# Allegro board FPGA-M1.brd (continued)
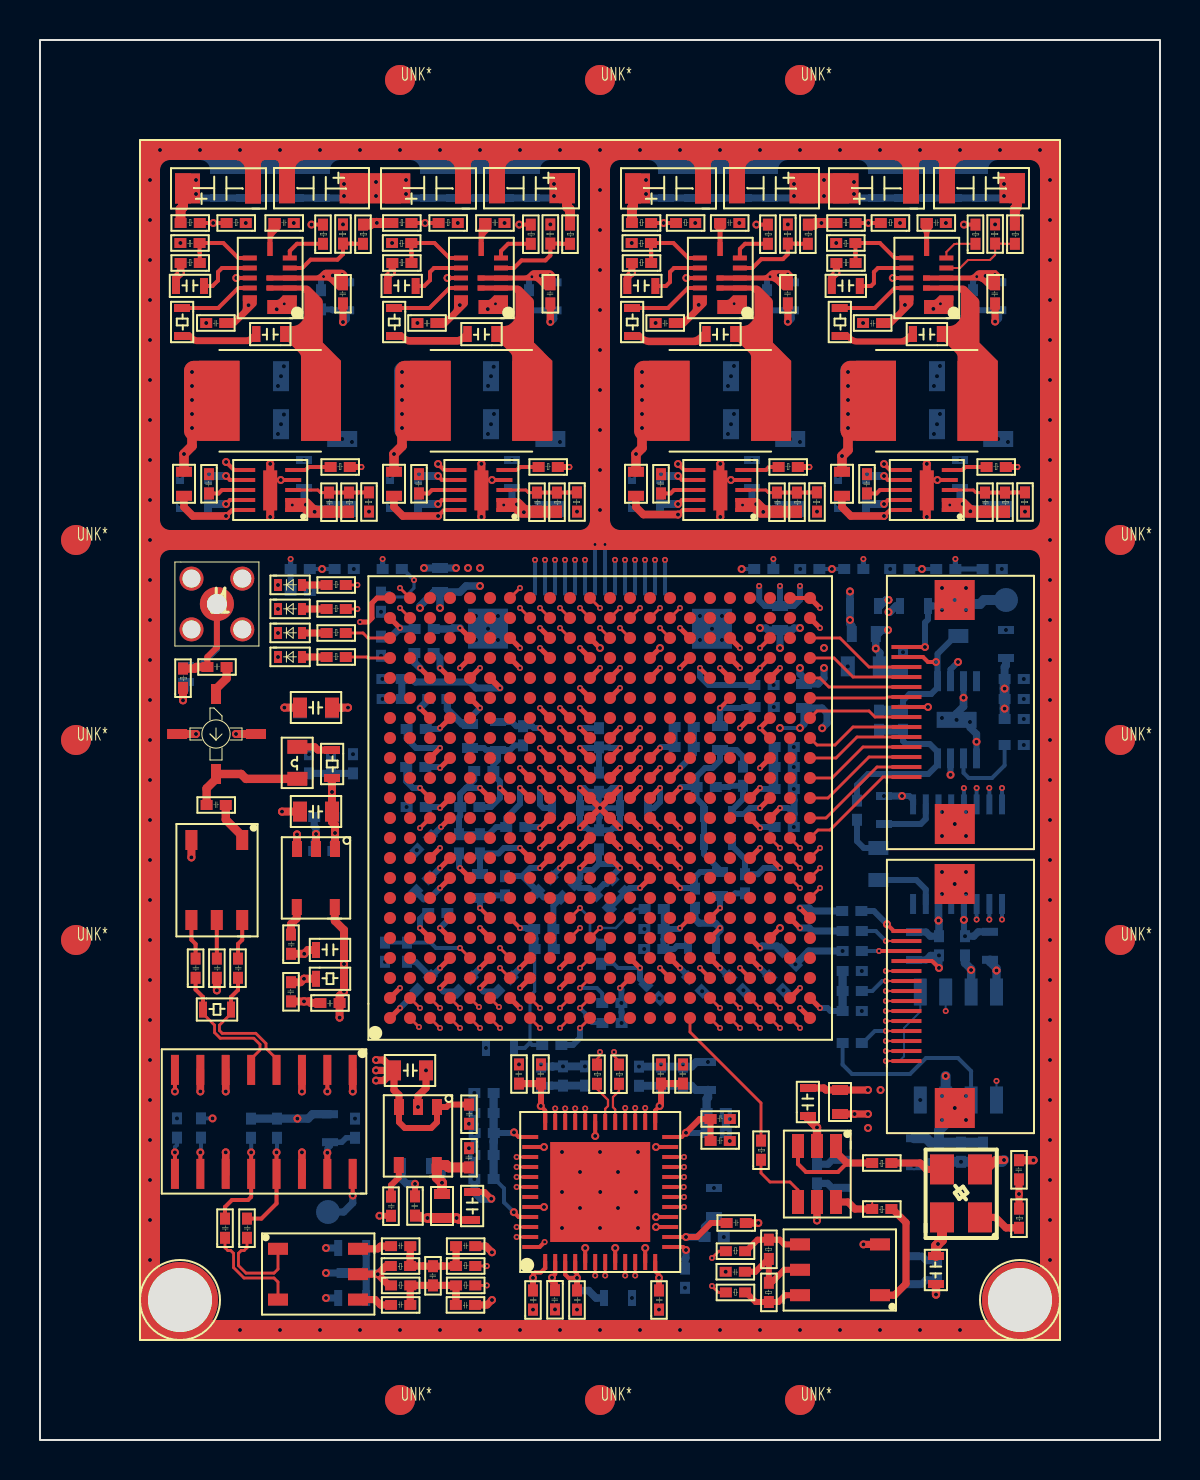
[diagram p0: board, top side]
## Footprints (pads in the part's own frame, mm; a bottom-side part is the same pattern mirrored in y, then rotated) (continued)
FPC-14P-0D5
  rect 0.2x1.5 smd: 1(-3.251,3.479) 2(-2.751,3.479) 3(-2.251,3.479) 4(-1.751,3.479) 5(-1.251,3.479) 6(-0.751,3.479) 7(-0.251,3.479) 8(0.249,3.479) 9(0.749,3.479) 10(1.249,3.479) 11(1.749,3.479) 12(2.249,3.479) 13(2.749,3.479) 14(3.249,3.479)
  rect 2x2 smd: M1(-5.6,1.06) M2(5.6,1.066)
L0805
  rect 0.7x1 smd: 1(0.2,0.62) 2(1.8,0.62)
LED0402
  rect 0.4x0.6 smd: 1(-0.1,0.25) 2(1.1,0.25)
MSOP-8-PAD
  rect 0.35x1 smd: 1(-0.001,-3.615) 2(0.649,-3.615) 3(1.299,-3.615) 4(1.949,-3.615) 5(1.949,0.241) 6(1.299,0.241) 7(0.649,0.241) 8(-0.001,0.241)
  rect 2x0.8 smd: 9(0.995,-1.694)
QFN-14
  rect 0.7x0.25 smd: 1(-0.99,1) 2(-0.99,0.5) 3(-0.99,0) 4(-0.99,-0.5) 5(-0.99,-1) 7(1.01,-1) 8(1.01,-0.5) 9(1.01,0) 10(1.01,0.5) 11(1.01,1)
  rect 0.25x0.7 smd: 6(0,-1.45) 12(0,1.45)
  rect 0.35x0.25 smd: 13(0,0.5) 14(0,0)
QFN-48
  rect 0.8x0.2 smd: 1(-3.5,2.75) 2(-3.5,2.25) 3(-3.5,1.75) 4(-3.5,1.25) 5(-3.5,0.75) 6(-3.5,0.25) 7(-3.5,-0.25) 8(-3.5,-0.75) 9(-3.5,-1.25) 10(-3.5,-1.75) 11(-3.5,-2.25) 12(-3.5,-2.75) 25(3.5,-2.75) 26(3.5,-2.25) 27(3.5,-1.75) 28(3.5,-1.25) 29(3.5,-0.75) 30(3.5,-0.25) 31(3.5,0.25) 32(3.5,0.75) 33(3.5,1.25) 34(3.5,1.75) 35(3.5,2.25) 36(3.5,2.75)
  rect 0.2x0.8 smd: 13(-2.75,-3.5) 14(-2.25,-3.5) 15(-1.75,-3.5) 16(-1.25,-3.5) 17(-0.75,-3.5) 18(-0.25,-3.5) 19(0.25,-3.5) 20(0.75,-3.5) 21(1.25,-3.5) 22(1.75,-3.5) 23(2.25,-3.5) 24(2.75,-3.5) 37(2.75,3.5) 38(2.25,3.5) 39(1.75,3.5) 40(1.25,3.5) 41(0.75,3.5) 42(0.25,3.5) 43(-0.25,3.5) 44(-0.75,3.5) 45(-1.25,3.5) 46(-1.75,3.5) 47(-2.25,3.5) 48(-2.75,3.5)
  rect 5x5 smd: 49(0,0)
R0402
  rect 0.6x0.5 smd: 1(0.01,0.25) 2(0.97,0.25)
R0603
  rect 0.4x0.8 smd: 1(0.1,0.4) 2(1.5,0.4)
SCREW-M3
  round 3.8 hole 3.2 unplated: (0,0)
SM-22
  rect 0.6x1 smd: 1(0.64,-0.1) 2(3.18,-0.1) 3(3.18,3.9) 4(1.91,3.9) 5(0.64,3.9)
SMA
  round 1.2 hole 0.9: 1(-1.27,-1.27) 2(1.27,-1.27) 3(1.27,1.27) 4(-1.27,1.27)
  round 1.7 hole 1: 5(0,0)
SO-8
  rect 0.65x1.35 smd: 1(0,-5.4) 2(1.27,-5.4) 3(2.54,-5.4) 4(3.81,-5.4) 5(3.81,0) 6(2.54,0) 7(1.27,0) 8(0,0)
SO-16
  rect 0.4x1.5 smd: 1(-4.437,-2.605) 2(-3.167,-2.605) 3(-1.897,-2.605) 4(-0.627,-2.605) 5(0.643,-2.605) 6(1.913,-2.605) 7(3.183,-2.605) 8(4.453,-2.605) 9(4.453,2.595) 10(3.183,2.595) 11(1.913,2.595) 12(0.643,2.595) 13(-0.627,2.595) 14(-1.897,2.595) 15(-3.167,2.595) 16(-4.437,2.595)
SOT-23-5
  rect 0.5x0.8 smd: 1(-0.95,-1.45) 2(0,-1.45) 3(0.95,-1.45) 4(0.96,1.45) 5(-0.94,1.45)
SOT-23-6
  rect 1.2x0.6 smd: 1(0,0) 2(0,-0.95) 3(0,-1.9) 4(2.8,-1.9) 5(2.8,-0.95) 6(2.8,0)
SSOP-16
  rect 1x0.3 smd: 1(0.6,4.7) 2(0.6,4.065) 3(0.6,3.43) 4(0.6,2.795) 5(0.6,2.16) 6(0.6,1.525) 7(0.6,0.89) 8(0.6,0.255) 9(5.58,0.255) 10(5.58,0.89) 11(5.58,1.525) 12(5.58,2.16) 13(5.58,2.795) 14(5.58,3.43) 15(5.58,4.065) 16(5.58,4.7)
TP_SMD_CIR_1D2
  round 1.2 smd: 1(0,0)
TSX-3225-4P
  rect 1.5x1.2 smd: 1(0.43,0.3) 2(2.83,0.3) 3(2.83,2.2) 4(0.43,2.2)
unnamed#2
  round 1.5 smd: (0,0)
WSON-10
  rect 0.8x0.2 smd: 1(0,0) 2(0,-0.5) 3(0,-1) 4(0,-1.5) 5(0,-2) 6(2.3,-2) 7(2.3,-1.5) 8(2.3,-1) 9(2.3,-0.5) 10(2.3,0)
  rect 0.7x2 smd: 11(1.15,-0.98)

## Nets
1V2_FPGA: C36.1 C112.2 C116.2 L15.2 R36.1 R43.1 U8.1 U8.2
2V0_FPGA: C120.2 C124.2 L8.2 U8.6(\SS_CTRL\) U8.7 U8.9 U8.10
2V0_FPGA_PWR: C16.1 C104.2 C108.2 L4.2 L8.1 R28.2
2V5_FPGA: C35.1 C113.2 C117.2 L13.1 R35.1 R41.1 U7.1 U7.2
3V3_BUCK_2V5: C15.1 C105.2 C109.2 L3.2 L7.1 R27.2
3V3_BUCK_2V5_IN: C121.2 C125.2 L7.2 U7.6(\SS_CTRL\) U7.7 U7.9 U7.10
3V3_FPGA: C34.1 C114.2 C118.2 L12.1 R34.1 R39.1 U6.1 U6.2
3V3_IF: C42.2 C47.2 R51.2 R88.2 R89.2 R90.2 U10.5(\OUT\)
4V0_BUCK_3V3: C122.2 C126.2 L6.2 U6.6(\SS_CTRL\) U6.7 U6.9 U6.10
4V0_BUCK_3V3_PWR: C14.1 C106.2 C110.2 L2.2 L6.1 R26.2
5V5_BUCK_5V_IN: C123.2 C127.2 L5.2 U5.6(\SS_CTRL\) U5.7 U5.9 U5.10
5V5_BUCK_5V_PWR: C13.1 C107.2 C111.2 L1.2 L5.1 R25.2
5V_FPGA: C33.1 C38.2 C40.2 C48.2 C54.2 C115.2 C119.2 C130.2 C145.2 C156.2 C157.2 C158.2 C172.2 C180.2 L14.1 R33.1 R37.1 R50.2 U5.1 U5.2 U10.1 U10.3 U12.1 U12.3
GND: A1.2 A1.4 C1.1 C2.1 C3.1 C4.1 C5.1 C6.1 C7.1 C8.1 C9.1 C10.1 C11.1 C12.1 C17.2 C18.2 C19.2 C20.2 C21.1 C22.1 C23.1 C24.1 C29.1 C30.1 C31.1 C32.1 C38.1 C40.1 C41.1 C42.1 C44.1 C46.2 C47.1 C48.1 C49.1 C50.1 C51.1 C52.1 C53.1 C54.1 C55.1 C56.1 C57.1 C58.1 C59.1 C60.1 C61.1 C62.1 C66.1 C67.1 C68.1 C70.1 C71.2 C72.1 C73.1 C75.2 C76.1 C77.1 C78.1 C79.1 C80.1 C81.1 C82.1 C83.1 C84.1 C85.1 C86.1 C87.1 C88.1 C89.1 C90.1 C91.1 C92.1 C93.1 C94.1 C95.1 C96.1 C97.1 C98.1 C99.1 C100.2 C101.2 C102.2 C103.2 C104.1 C105.1 C106.1 C107.1 C108.1 C109.1 C110.1 C111.1 C112.1 C113.1 C114.1 C115.1 C116.1 C117.1 C118.1 C119.1 C120.1 C121.1 C122.1 C123.1 C124.1 C125.1 C126.1 C127.1 C128.1 C129.1 C130.1 C132.1 C133.2 C134.1 C135.1 C136.1 C137.1 C138.1 C139.1 C140.2 C141.1 C142.1 C143.2 C144.1 C145.1 C146.1 C148.1 C149.2 C150.1 C151.1 C152.1 C153.1 C154.1 C155.1 C156.1 C157.1 C158.1 C159.1 C160.1 C161.1 C162.1 C163.1 C164.1 C165.1 C166.1 C167.2 C168.1 C169.1 C170.1 C171.1 C172.1 C173.1 C174.1 C175.1 C176.1 C177.2 C178.1 C179.1 C180.1 C182.1 C183.1 C184.1 C185.1 C186.1 C187.1 C188.1 C189.1 C190.1 C191.1 C192.2 C193.2 C194.1 C195.1 C196.2 C197.1 C198.1 C199.1 C200.1 C201.2 C202.1 C203.1 C204.1 C205.1 C206.1 C207.2 C208.2 C209.1 C210.1 C211.1 C212.1 C213.1 C214.1 C215.2 C216.2 C217.2 C218.1 C219.1 C220.2 C221.1 C222.1 C223.1 C224.2 C226.1 C227.2 C228.1 C229.1 C230.1 C231.1 C232.1 C233.1 C234.1 C235.1 C236.1 C237.1 C238.1 C239.2 C240.1 C241.1 C242.2 C243.1 C244.1 C245.2 C246.1 C247.1 C248.1 D1.1(\CATHODE\) D2.1(\CATHODE\) D3.1(\CATHODE\) D4.1(\CATHODE\) D5.1 J1.1 J1.2 J1.3 J1.4 J2.8 J2.13 J2.M1 J2.M2(\M2\) J3.11 J3.M1 J3.M2(\M2\) J4.7 J4.8 J4.M1 J4.M2(\M2\) R2.1 R4.1 R6.1 R8.1 R10.1 R13.1 R16.1 R19.1 R21.1 R22.1 R23.1 R24.1 R38.2 R40.2 R42.2 R44.2 R49.1 R68.1 R70.1 R73.1 R75.1 R76.1 R84.2 R85.1 R91.1 T1.2 T2.2 U1.1 U1.12 U2.1 U2.12 U3.1 U3.12 U4.1 U4.12 U5.4 U5.11 U6.4 U6.11 U7.4 U7.11 U8.4 U8.11 U9.A1 U9.A22 U9.AA2 U9.AA22 U9.AB1 U9.AB6 U9.AB22 U9.C5 U9.C9 U9.C11 U9.C12 U9.C14 U9.C16 U9.C18 U9.D3 U9.D8 U9.E18 U9.E20 U9.F3 U9.F5 U9.F12 U9.G2 U9.G20 U9.H3 U9.H12 U9.H13 U9.J9 U9.J15 U9.J19 U9.K3 U9.K10 U9.K11 U9.K12 U9.K13 U9.K16 U9.L10 U9.L11 U9.L12 U9.L13 U9.L15 U9.L20 U9.M10 U9.M11 U9.M12 U9.M13 U9.N3 U9.N10 U9.N11 U9.N12 U9.N13 U9.N15 U9.P8 U9.P19 U9.R3 U9.R9 U9.R11 U9.R13 U9.T20 U9.U3 U9.U5 U9.V18 U9.V20 U9.W3 U9.Y5 U9.Y9 U9.Y11 U9.Y12 U9.Y15 U9.Y16 U9.Y18 U9.Y20 U10.2 U11.1 U11.3 U11.6 U11.7 U11.11 U11.14 U12.2 U13.2 U14.5 U14.8 U14.11 U14.15 U14.16 U14.23 U14.31 U14.38 U14.44 U14.48 U14.49 U15.1 U15.7 U15.9 U16.4 U16.9 U17.4 Y1.2
VBAT_IN: C1.2 C2.2 C3.2 C4.2 C5.2 C6.2 C7.2 C8.2 C17.1 C18.1 C19.1 C20.1 C76.2 C77.2 C78.2 C79.2 C80.2 C81.2 C82.2 C83.2 C84.2 C85.2 C86.2 C87.2 C88.2 C89.2 C90.2 C91.2 C92.2 C93.2 C94.2 C95.2 C96.2 C97.2 C98.2 C99.2 C100.1 C101.1 C102.1 C103.1 R1.2 R3.2 R5.2 R7.2 R11.2 R14.2 R17.2 R20.2 U1.3(\VIN#3\) U1.14 U2.3(\VIN#3\) U2.14 U3.3(\VIN#3\) U3.14 U4.3(\VIN#3\) U4.14
VCCA_2V5: C139.2 C140.1 C143.1 C192.1 C193.1 C198.2 C199.2 C200.2 C201.1 C213.2 J3.12 L13.2 R79.1 R87.1 U9.F18 U9.G6 U9.T6 U9.U18
VCCINT_1V2: C148.2 C150.2 C151.2 C152.2 C155.2 C161.2 C162.2 C163.2 C164.2 C166.2 C168.2 C169.2 C171.2 C174.2 C175.2 C176.2 C178.2 C183.2 C185.2 C187.2 C188.2 C189.2 L15.1 L16.2 L17.2 L18.2 L19.2 U9.G12 U9.H9 U9.J10 U9.J11 U9.J12 U9.J13 U9.J14 U9.J16 U9.K9 U9.K14 U9.K15 U9.L9 U9.L14 U9.L16 U9.M9 U9.M14 U9.M15 U9.N9 U9.N14 U9.P9 U9.P10 U9.P11 U9.P12 U9.P13 U9.P14 U9.R8 U9.R10 U9.R12
VCCIO_3V3: C49.2 C50.2 C51.2 C52.2 C53.2 C55.2 C56.2 C128.2 C129.2 C132.2 C134.2 C135.2 C149.1 C154.2 C159.2 C160.2 C165.2 C167.1 C173.2 C177.1 C179.2 C184.2 C190.2 C191.2 C194.2 C195.2 C203.2 C204.2 C205.2 C206.2 C207.1 C208.1 C209.2 C210.2 C211.2 C212.2 C214.2 C215.1 C216.1 C217.1 C218.2 C219.2 C220.1 C221.2 C222.2 C223.2 C226.2 C227.1 C228.2 C229.2 C230.2 C231.2 C232.2 C236.2 J3.14 L10.1 L12.2 R67.2 R69.2 R71.2 R72.2 R74.2 R80.2 R81.1 R82.1 R83.2 U9.A2 U9.A21 U9.AA6 U9.AB2 U9.AB21 U9.D4 U9.D5 U9.D9 U9.D11 U9.D12 U9.D14 U9.D16 U9.D18 U9.E8(\VCCIO8#E8\) U9.E19 U9.F4 U9.G19 U9.H4 U9.J20 U9.K4 U9.L19 U9.N4 U9.P18 U9.R4 U9.T19 U9.U4 U9.V19 U9.W4 U9.W5 U9.W9 U9.W11 U9.W12 U9.W16 U9.W18 U9.Y14 U9.Y19 U14.24 U14.25 U14.36 U14.37 U14.45 U17.3 U17.7 U17.8(\VCC#8\)
A_DEMP: U9.Y10 U16.13
A_FMT: U9.AA10 U16.15
A_MUTE: U9.AB9 U16.14
AD0: U9.Y2 U14.18
AD1: U9.Y1 U14.19
AD2: U9.W2 U14.20
AD3: U9.W1 U14.21
AD4: U9.V2 U14.22
AD5: U9.V1 U14.26
AD6: U9.U2 U14.27
AD7: U9.U1 U14.28
AD8: U9.H2 U14.32
AD9: U9.H1 U14.33
AD10: U9.F2 U14.34
AD11: U9.F1 U14.35
AD12: U9.E1 U14.39
AD13: U9.D2 U14.40
AD14: U9.C2 U14.41
AD15: U9.C1 U14.42
AD_CLKN: R54.2 U9.G3
AD_CLKP: R53.2 U9.G4
AD_DITH: U9.AA1 U14.17
AD_PGA: U9.B1 U14.47
AD_RAND: U9.B2 U14.46
ADC_3V3: C60.2 C61.2 C62.2 C70.2 C72.2 C73.2 C237.2 C238.2 C243.2 C244.2 C246.2 C247.2 C248.2 L11.2 U14.1 U14.3 U14.4(\VDD#4\) U14.12 U14.13 U14.14
AIN+: R62.1 U14.6
AIN-: R64.1 U14.7
ASDO: J3.1 U9.D1 U17.5
AUDIO_5V: C133.1 C136.2 C137.2 C138.2 C141.2 C146.2 C196.1 C197.2 L14.2 U15.3 U15.6 U16.6
AUDIO_OUT: C131.2 J2.14 R76.2 TP3.1(\TP\)
CLK2FPGA: R55.2 U9.T1
CLK_3V3: C58.2 C67.2 C234.2 C235.2 C240.2 C241.2 L10.2 R58.2 U13.5(\VCC\) Y1.4(\VCC\)
CLKO+: R53.1 U14.30
CLKO-: R54.1 U14.29
CONF_DONE: J3.13 R80.1 U9.M18
DATA0: J3.4 R86.1 U9.K1
DCLK: J3.3 U9.K2 U17.6
ENC+: R65.2 U14.9
ENC-: R60.2 U14.10
FPGA_RST_ARM: J2.4 U9.AB13
FPGA_RST_MCU: J2.5 U9.AB14
FPGA_SPI_CS: J2.12 U9.AB20
FPGA_SPI_MISO: J2.10 U9.AB18
FPGA_SPI_MOSI: J2.9 U9.AB17
FPGA_SPI_SCLK: J2.11 U9.AB19
FPGA_UART2_RXD: J2.6 U9.AB15
FPGA_UART2_TXD: J2.7 U9.AB16
FPGA_UART_RXD: J2.2 U9.AB11
FPGA_UART_TXD: J2.1 U9.AB10
I2S_BCK: U9.AA9 U16.1
I2S_DATA: U9.AB7 U16.2
I2S_LRCK: U9.AA8 U16.3
I2S_SCK: U9.AB8 U16.16
IO: U9.AA4
IO1: J4.1 U9.R21
IO2: J4.2 U9.R20
IO3: J4.3 U9.P21
IO4: J4.4 U9.N21
IO5: J4.5 U9.M21
IO6: J4.6 U9.N20
IO7: J4.9 U9.M20
IO8: J4.10 U9.L21
IO9: J4.11 U9.K21
IO10: J4.12 U9.J21
IO11: J4.13 U9.H21
IO12: J4.14 U9.G22
LDO_3V3: C57.2 C233.2 L11.1 U12.5(\OUT\)
LED1: R45.1 U9.B22
LED2: R46.1 U9.B21
LED3: R47.1 U9.A20
LED4: R48.1 U9.A19
MSEL0: R67.1 R68.2 U9.M17
MSEL1: R69.1 R70.2 U9.L18
MSEL2: R73.2 R74.1 U9.L17
MSEL3: R72.1 R75.2 U9.K20
NCE: J3.7 R84.1 U9.L3
NCONFIG: J3.9 R83.1 U9.K5
NCSO: J3.2 U9.E2 U17.1
NRST_FPGA: J2.3 U9.AB12
NSTATUS: R82.2 U9.K6
RSSI: C225.1 TP4.1(\TP\) U11.16
SOUTN: C43.1 R52.1 U11.5
SOUTP: C45.1 R52.2 U11.4
TCK: J3.5 R85.2 U9.L2
TDI: J3.10 R79.2 U9.L5
TDO: J3.8 U9.L4
TINN: C63.1 T3.2
TINP: C64.1 T3.1
TMS: J3.6 R87.2 U9.L1
VCOM: C71.1 C239.1 C242.1 C245.1 R61.1 R63.2 T3.4 U14.2
VDPL1: C182.2 L18.1 U9.U6
VDPL2: C142.2 L16.1 U9.E17
VDPL3: C186.2 L19.1 U9.F6
VDPL4: C144.2 L17.1 U9.V17
N7424382: C147.1 R77.1 R78.2 U15.4
N7424390: C131.1 C147.2 R77.2 U15.5
N7424650: C170.2 U16.10
N7424654: C181.1 U16.7
N7424662: C181.2 R78.1
N7424742: C153.2 U15.2
N7454523: R86.2 U17.2
N7455499: D1.2 R45.2
N7455557: D2.2 R46.2
N7467286: C202.2 R81.2 U9.E4
N7498655: C59.2 U12.4
N7538451: R71.1 U9.L22
N7578107: C37.2 D5.2 J1.5 R49.2
N7578654: A1.1 C37.1
N7578935: A1.3(\OUT\) C39.2 L9.1
N7579108: L9.2 R50.1
N7579398: C39.1 T1.1
N7579484: C44.2 T1.4
N7579488: C43.2 T1.3
N7579492: C45.2 T1.5
N7580116: C46.1 R51.1 U11.2 U11.8
N7580344: R91.2 U11.9
N7580738: C225.2 U11.10
N7580852: C224.1 R88.1 U11.15(\VPS2\)
N7581076: C64.2 R89.1 U11.13
N7581083: C63.2 R90.1 U11.12
N7581273: C65.2 T3.5
N7581277: C74.2 T3.3
N7581373: C69.2 C74.1 C75.1 R63.1 R64.2
N7581387: C65.1 C66.2 C69.1 R61.2 R62.2
N7586253: R58.1 Y1.1
N7586496: R56.2 Y1.3
N7586806: R56.1 U13.1 U13.3
N7587007: R55.1 U13.4
N7587454: R57.1 U13.6
N7587591: R57.2 T2.1
N7587990: C68.2 R59.2 R66.1 T2.4
N7588005: R65.1 R66.2 T2.5
N7588017: R59.1 R60.1 T2.3
N7598294: C41.2 U10.4
N7921484: D3.2 R47.2
N8196940: R10.2 R11.1 U1.4
N8196944: R1.1 R2.2 U1.9
N8196950: C21.2 R9.2 U1.11
N8196956: R9.1 U1.5
N8196998: C9.2 U1.6
N8197004: R29.1 U1.10
N8197008: C25.1 L1.1 U1.2 U1.13
N8197018: C25.2 R29.2
N8197022: C13.2 U1.8
N8197032: R21.2 R25.1 U1.7
N8197074: R30.1 U2.10
N8197078: C26.2 R30.2
N8197098: C26.1 L2.1 U2.2 U2.13
N8197146: R13.2 R14.1 U2.4
N8197148: R3.1 R4.2 U2.9
N8197154: C14.2 U2.8
N8197166: R22.2 R26.1 U2.7
N8197176: C22.2 R12.2 U2.11
N8197182: C10.2 U2.6
N8197194: R12.1 U2.5
N8197218: R31.1 U3.10
N8197222: C27.2 R31.2
N8197242: C27.1 L3.1 U3.2 U3.13
N8197290: R16.2 R17.1 U3.4
N8197292: R5.1 R6.2 U3.9
N8197298: C15.2 U3.8
N8197310: R23.2 R27.1 U3.7
N8197320: C23.2 R15.2 U3.11
N8197326: C11.2 U3.6
N8197338: R15.1 U3.5
N8197362: R32.1 U4.10
N8197366: C28.2 R32.2
N8197386: C28.1 L4.1 U4.2 U4.13
N8197434: R19.2 R20.1 U4.4
N8197436: R7.1 R8.2 U4.9
N8197442: C16.2 U4.8
N8197454: R24.2 R28.1 U4.7
N8197464: C24.2 R18.2 U4.11
N8197470: C12.2 U4.6
N8197482: R18.1 U4.5
N9038018: D4.2 R48.2
N9064761: C32.2 U8.8
N9066094: C36.2 R43.2 R44.1 U8.3
N9067246: R36.2 U8.5
N9071462: C31.2 U7.8
N9071470: C35.2 R41.2 R42.1 U7.3
N9071570: R35.2 U7.5
N9073990: C30.2 U6.8
N9073998: C34.2 R39.2 R40.1 U6.3
N9074098: R34.2 U6.5
N9076650: C29.2 U5.8
N9076658: C33.2 R37.2 R38.1 U5.3
N9076758: R33.2 U5.5

Pads without a net: U9 A3 A4 A5 A6 A7 A8 A9 A10 A11 A12 A13 A14 A15 A16 A17 A18 AA3 AA5 AA7 AA11 AA12 AA13 AA14 AA15 AA16 AA17 AA18 AA19 AA20 AA21 AB3 AB4 AB5 B3 B4 B5 B6 B7 B8 B9 B10 B11 B12 B13 B14 B15 B16 B17 B18 B19 B20 C3 C4 C6 C7 C8 C10 C13 C15 C17 C19 C20 C21 C22 D6 D7 D10 D13 D15 D17 D19 D20 D21 D22 E3 E5 E6 E7 E9 E10 E11 E12 E13 E14 E15 E16 E21 E22 F7 F8 F9 F10 F11 F13 F14 F15 F16 F17 F19 F20 F21 F22 G1 G5 G7 G8 G9 G10 G11 G13 G14 G15 G16 G17 G18 G21 H5 H6 H7 H8 H10 H11 H14 H15 H16 H17 H18 H19 H20 H22 J1 J2 J3 J4 J5 J6 J7 J8 J17 J18 J22 K7 K8 K17 K18 K19 K22 L6 L7 L8 M1 M2 M3 M4 M5 M6 M7 M8 M16 M19 M22 N1 N2 N5 N6 N7 N8 N16 N17 N18 N19 N22 P1 P2 P3 P4 P5 P6 P7 P15 P16 P17 P20 P22 R1 R2 R5 R6 R7 R14 R15 R16 R17 R18 R19 R22 T2 T3 T4 T5 T7 T8 T9 T10 T11 T12 T13 T14 T15 T16 T17 T18 T21 T22 U7 U8 U9 U10 U11 U12 U13 U14 U15 U16 U17 U19 U20 U21 U22 V3 V4 V5 V6 V7 V8 V9 V10 V11 V12 V13 V14 V15 V16 V21 V22 W6 W7 W8 W10 W13 W14 W15 W17 W19 W20 W21 W22 Y3 Y4 Y6 Y7 Y8 Y13 Y17 Y21 Y22; U14 43; U15 8; U16 5 8 11 12

## Via types
v1: diameter 0.4, hole 0.2, TOP to BOTTOM, 345 vias
v2: diameter 0.3, hole 0.15, TOP to BOTTOM, 293 vias
v3: diameter 0.4, hole 0.2, TOP to GND-L2, 85 vias
v4: diameter 0.4, hole 0.2, GND-L9 to BOTTOM, 132 vias
v5: diameter 0.3, hole 0.15, GND-L9 to BOTTOM, 1 via

## Routing (per net, layer and track width the routed paths; a pad name or vN(x,y) marks a point on that pad's centre or on a via; arc(x,y) is an arc through that point)
1V2_FPGA: length 31.9
  TOP w0.3: R36.1 v2(48.87,48.65)
  PWR-L6 w0.3: v1(46.52,46.44) 46.5,46.44 v1(46.13,46.8) ; v1(46.13,46.8) 46.08,46.75 v2(45.49,46.75) ; v1(46.13,46.8) 47.98,48.65 v2(48.87,48.65)
  PWR-L6 w0.36: v1(39.2,39.6) v1(39.2,38.6)
  PWR-L6 w0.38: v1(39.2,39.6) 38.48,39.6 38,39.12 v1(38,38.6) v1(39.2,38.6)
  SIGNAL-L8 w0.38: v1(39.2,38.6) 39.8,38 42.42,38 42.8,38.38 42.8,39.5 47.4,44.1 47.4,45.55 v1(46.52,46.44) 46.5,46.44 v1(46.13,46.8) 45.54,46.8 v2(45.49,46.75) ; v1(39.2,38.6) v1(38,38.6) ; v1(39.2,38.6) v1(39.2,39.6)
  BOTTOM w0.36: v1(38,38.6) 38,38.3 38.2,38.1 L15.2 38.91,37.8 39.2,38.09 v1(39.2,38.6) ; C116.2 46,46.93 v1(46.13,46.8)
  BOTTOM w0.4: C112.2 46.63,46.55 v1(46.52,46.44)
2V0_FPGA: length 13.9
  TOP w0.2: v1(42.2,48.8) 42.5,48.5 U8.6 ; v1(42.2,48.2) 42.4,48 U8.7 ; v1(42.2,46.8) 42.4,47 U8.9 ; U8.10 42.5,46.5 42.38,46.37 42.37,46.37 v1(42.2,46.2)
  TOP w0.38: v1(42.2,46.2) 40.54,46.2 40.1,46.64 L8.2
  PWR-L6 w0.38: v1(42.2,48.8) v1(42.2,48.2) v1(42.2,46.8) v1(42.2,46.2) 40.6,46.2 40.1,46.7
  BOTTOM w0.4: C120.2 v1(42.2,48.2) ; C124.2 v1(42.2,46.8)
2V0_FPGA_PWR: length 13.1
  TOP w0.36: C16.1 39.59,58.13 v1(39.82,58.36) R28.2
  TOP w0.48: v1(40.4,50.6) 40.4,49.5 v1(40.1,49.2) L8.1
  PWR-L6 w0.3: v1(40.4,53.4) 40.4,57.78 v1(39.82,58.36)
  PWR-L6 w0.5: v1(40.1,49.2) 40.1,49.78 40.4,50.08 v1(40.4,50.6) v1(40.4,51.3) v1(40.4,52) v1(40.4,52.7) v1(40.4,53.4)
2V5_FPGA: length 18.8
  TOP w0.3: R35.1 v2(38.47,48.65)
  PWR-L6 w0.2: v2(35.96,42.7) v2(37,42.7) ; v2(37,42.7) 37,43.1 37.6,43.7 37.6,44.54 36.16,45.98 v1(36.16,46.4) 35.81,46.76 v1(35.81,46.79) 35.76,46.75 v2(35.13,46.75) ; v2(37,42.7) v2(38,42.7)
  PWR-L6 w0.3: v1(35.81,46.79) 37.66,48.65 v2(38.47,48.65)
  BOTTOM w0.3: L13.1 37.7,41.7 38,42 v2(38,42.7) ; L13.1 36.24,41.7 35.96,41.98 v2(35.96,42.7) ; L13.1 v2(37,42.7)
  BOTTOM w0.36: v1(35.81,46.79) 35.6,47 C117.2
  BOTTOM w0.4: v1(36.16,46.4) 36.31,46.55 C113.2
3V3_BUCK_2V5: length 13
  TOP w0.36: C15.1 29.37,58.13 v1(29.6,58.36) R27.2
  TOP w0.48: L7.1 v1(29.8,49.3) 30.1,49.6 v1(30.1,50.6)
  PWR-L6 w0.3: v1(29.6,58.36) 30.1,57.86 v1(30.1,53.4)
  PWR-L6 w0.5: v1(29.8,49.3) 29.8,49.7 30.1,50 v1(30.1,50.6) v1(30.1,51.3) v1(30.1,52) v1(30.1,52.7) v1(30.1,53.4)
3V3_BUCK_2V5_IN: length 13.7
  TOP w0.2: v1(31.9,46.27) 31.93,46.3 31.93,46.3 32.13,46.5 U7.10 ; U7.6 32.2,48.5 v1(31.9,48.8) ; v1(31.9,46.8) 32.1,47 U7.9 ; U7.7 32.1,48 v1(31.9,48.2)
  TOP w0.38: v1(31.9,46.27) 30.17,46.27 29.8,46.64 L7.2
  PWR-L6 w0.38: 29.8,46.73 30.26,46.27 v1(31.9,46.27) v1(31.9,46.8) v1(31.9,48.2) v1(31.9,48.8)
  BOTTOM w0.4: C121.2 v1(31.9,48.2) ; C125.2 v1(31.9,46.8)
3V3_FPGA: length 15.9
  TOP w0.3: R34.1 v2(26.47,48.65)
  PWR-L6 w0.3: v1(23.85,46.78) 23.82,46.75 v2(23.18,46.75) ; v1(23.85,46.78) 24.19,46.44 v1(24.19,46.39) ; v1(23.85,46.78) 25.71,48.65 v2(26.47,48.65) ; v1(22,43.6) v1(21.4,43.6) v1(20.8,43.6) v1(19.2,43.6)
  PWR-L6 w0.36: v1(22,43.6) 23.2,44.8 23.73,44.8 24.19,45.26 v1(24.19,46.39)
  BOTTOM w0.36: v1(19.2,43.6) L12.1 v1(20.8,43.6) ; C118.2 23.6,47.03 v1(23.85,46.78)
  BOTTOM w0.4: v1(24.19,46.39) 24.36,46.55 C114.2
3V3_IF: length 20.8
  TOP w0.4: U10.5 14.74,25.96 15.2,25.5 C42.2 v1(15.2,23.8) R51.2 v1(15.2,22.43) 14.98,22.21 C47.2 v1(14.98,21.12)
  PWR-L6 w0.5: v1(12.87,16.07) 12.2,16.07 11.7,16.57 11.7,19.4 12.4,20.1 13.96,20.1 v1(14.98,21.12) 14.98,21.6 15.2,21.82 v1(15.2,22.43) v1(15.2,23.8)
  BOTTOM w0.42: R88.2 13.63,16.29 13.41,16.07 v1(12.87,16.07) R89.2 R90.2
4V0_BUCK_3V3: length 14.4
  TOP w0.2: v1(19.9,46.2) 20.2,46.5 U6.10 ; v1(19.9,46.8) 20.1,47 U6.9 ; U6.6 20.2,48.5 v1(19.9,48.8) ; U6.7 20.1,48 v1(19.9,48.2)
  TOP w0.38: v1(19.9,46.2) 18.14,46.2 17.7,46.64 L6.2
  PWR-L6 w0.38: 17.7,46.6 18.1,46.2 v1(19.9,46.2) 19.9,46.8 v1(19.9,46.8) v1(19.9,48.2) 19.9,48.8 v1(19.9,48.8)
  BOTTOM w0.4: C122.2 v1(19.9,48.2) ; C126.2 v1(19.9,46.8)
4V0_BUCK_3V3_PWR: length 13
  TOP w0.36: R26.2 17.61,58.41 v1(17.57,58.36) 17.38,58.18 C14.1
  TOP w0.48: L6.1 v1(17.7,49.3) 18.1,49.7 v1(18.1,50.6)
  PWR-L6 w0.3: v1(18.1,53.4) 18.1,57.83 v1(17.57,58.36)
  PWR-L6 w0.5: v1(17.7,49.3) 17.7,50.2 v1(18.1,50.6) v1(18.1,51.3) v1(18.1,52) v1(18.1,52.7) v1(18.1,53.4)
5V5_BUCK_5V_IN: length 14.4
  TOP w0.2: v1(9.3,46.2) 9.47,46.37 9.48,46.37 9.6,46.5 U5.10 ; U5.6 9.7,48.5 v1(9.3,48.9) ; U5.7 9.5,48 v1(9.3,48.2) ; U5.9 9.5,47 v1(9.3,46.8)
  TOP w0.38: L5.2 7.2,46.64 7.64,46.2 v1(9.3,46.2)
  PWR-L6 w0.38: v1(9.3,48.9) 9.3,48.9 v1(9.3,48.2) v1(9.3,46.8) v1(9.3,46.2) 7.7,46.2 7.2,46.7
  BOTTOM w0.4: C127.2 v1(9.3,46.8) ; v1(9.3,48.2) C123.2
5V5_BUCK_5V_PWR: length 13.1
  TOP w0.38: C13.1 6.8,58.12 v1(7.04,58.37) 7.03,58.38 R25.2
  TOP w0.48: L5.1 v1(7.2,49.3) 7.6,49.7 v1(7.6,50.6)
  PWR-L6 w0.3: v1(7.04,58.37) 7.6,57.81 v1(7.6,53.4)
  PWR-L6 w0.5: v1(7.2,49.3) 7.2,50.2 v1(7.6,50.6) v1(7.6,51.3) v1(7.6,52) v1(7.6,52.7) v1(7.6,53.4)
5V_FPGA: length 66.9
  TOP w0.3: C54.2 20.45,16.77 20.33,16.65 U12.1 19.85,15.89 19.56,15.6 18.24,15.6 17.95,15.89 U12.3 ; R33.1 v2(16.07,48.65)
  TOP w0.36: C48.2 17.19,17.97 v1(16.8,17.97) ; C48.2 17.18,19 v1(16.8,19) ; C48.2 17.7,17.5 17.95,17.25 U12.3 ; C48.2 v1(16.8,18.48)
  TOP w0.4: C38.2 v1(15.4,36.62) ; U10.1 v1(14.75,30.35) 14.75,30.75 14.6,30.9 C40.2 v1(14.6,32.4) R50.2 ; U10.3 v1(12.85,30.28)
  PWR-L6 w0.3: v2(16.07,48.65) 15.18,48.65 v1(13.3,46.77) ; v1(13.73,46.41) 13.65,46.41 v1(13.3,46.77) ; v1(13.3,46.77) 13.28,46.75 v2(12.62,46.75) ; v1(40.5,42.43) v1(40.5,41)
  SIGNAL-L8 w0.36: 16.29,46.41 17.9,44.8 22.9,44.8 24.8,42.9 31.7,42.9 34,45.2 37.62,45.2 38.4,44.42 38.4,43.6 39.57,42.43 v1(40.5,42.43) v1(40.5,41) ; v2(12.62,46.75) 13.28,46.75 v1(13.3,46.77) 13.38,46.77 v1(13.73,46.41)
  SIGNAL-L8 w0.38: v1(13.3,46.77) 13.66,47.13 15.57,47.13 16.29,46.41
  BOTTOM w0.36: C180.2 14.67,29.87 14.75,29.95 v1(14.75,30.35) 14.75,30.65 14.67,30.73 C172.2 ; v1(15.4,36.62) 15.12,36.62 15.08,36.58 C145.2 ; C157.2 14.55,32.85 14.6,32.8 v1(14.6,32.4) ; C157.2 C156.2 ; C157.2 C158.2 ; C119.2 13.2,46.86 v1(13.3,46.77)
  BOTTOM w0.38: L14.1 40.59,40.71 40.5,40.8 v1(40.5,41) C130.2 v1(40.5,42.43)
  BOTTOM w0.4: v1(13.73,46.41) 13.87,46.55 C115.2
GND: length 234.9
  TOP w0.2: U14.31 v1(27.76,15.2) ; v1(44.95,23.6) 44.6,23.95 43.32,23.95 ; J2.8 v3(44.4,36.65) ; U14.15 v1(30.8,10.65) ; U14.38 v1(25.2,14.65) ; U7.4 v1(34.54,48) ; U9.N3 v2(29,22.6) ; U9.Y20 v2(36,39.6) ; U9.U3 v2(33,23.6) ; U9.R3 v2(31,23.6) ; U14.11 v1(30.26,9.6) ; U14.48 24.98,9.65 v2(25.23,9.9) ; U5.4 v1(12.04,48) ; U9.U5 v2(34,25.6) ; U9.W3 v2(35,23.6) ; U14.16 v1(30.8,11.15) ; U9.AA22 U9.AB22 ; U14.44 v1(25.2,11.65) ; U9.C11 v2(19,30.6) ; v3(44.8,38.9) 44.4,38.9 44.15,39.15 J2.13 ; U14.8 v1(28.76,9.6) ; U9.Y15 v2(36,35.6) ; U8.4 v1(44.87,48) ; U14.5 v1(27.26,9.6) ; U14.23 v1(30.8,14.65) ; U6.4 v1(22.6,48) ; U9.C12 v2(19,32.6)
  TOP w0.25: U9.Y9 v2(37,28.6) ; U9.P8 v2(30,27.6) ; v2(20,29.6) U9.C9 ; v2(26,36.6) U9.K16 ; U9.H12 v2(24,32.6) ; v2(32,33.6) U9.R13 ; v2(19,25.6) U9.C5 ; v2(32,30.6) U9.R11 ; U9.C16 v2(19,36.6) ; v2(16,40.9) 16.4,40.9 16.6,41.1 16.6,41.85 16.85,42.1 U9.A22 ; v3(37,25.6) U9.Y5 ; v2(24,39.6) U9.G20 ; v2(26,22.6) U9.K3 ; v2(22,25.6) U9.F5 ; v3(31,39.6) U9.P19 ; v2(36,35.6) U9.Y16 ; v2(37,31.6) U9.Y11 ; v2(20,34.6) U9.C14 ; U9.Y12 v2(36,31.6) ; U9.T20 v2(32,40.6) ; v2(18,21.6) U9.A1 ; U9.AA2 v2(38,22.6) ; v2(38,26.6) U9.AB6 ; U9.J15 v2(25,35.6) ; U9.E20 v2(21,40.6) ; v2(19,38.6) U9.C18 ; v2(32,28.6) U9.R9 ; U9.AB1 v2(38,21.6) ; v2(37,38.6) U9.Y18 ; v2(24,21.6) U9.G2 ; v2(24,33.6) U9.H13 ; v2(20,22.6) U9.D3 ; U9.AB22 v2(39,41.6) ; v2(25,28.6) U9.J9 ; U9.L15 v2(27,35.6) ; U9.V20 v2(35,39.6) ; U9.H3 v2(24,22.6) ; v2(20,27.6) U9.D8 ; v2(22,32.6) U9.F12 ; v2(22,38.6) U9.E18 ; U9.F3 v2(22,22.6) ; v3(28,39.6) U9.L20 ; v2(30,35.6) U9.N15 ; U9.V18 v2(34,38.6) ; U9.J19 v2(25,39.6)
  TOP w0.3: v2(30,32.6) U9.N12 ; v2(27,30.6) U9.L11 v1(28,31.6) ; v1(28,31.6) U9.L12 v2(27,32.6) ; v1(28,31.6) U9.M12 v2(29,32.6) ; v1(28,31.6) U9.M11 v2(29,30.6) ; U9.K12 v2(26,32.6) ; v2(26,33.6) U9.K13 ; v2(29,33.6) U9.M13 ; C61.1 22.23,12.4 v1(22.56,12.06) ; v2(27,33.6) U9.L13 ; v2(27,29.6) U9.L10 ; U9.M10 v2(29,29.6) ; v2(30,29.6) U9.N10 ; U9.K10 v2(26,29.6) ; C60.1 v1(18.75,12.81) ; C59.1 v1(16.97,11.21) ; U9.N13 v2(30,33.6) ; v2(26,30.6) U9.K11 ; U9.N11 v2(30,30.6)
  TOP w0.36: v1(25.52,55.91) C18.2 ; v1(37.39,55.92) C19.2 ; v3(18.9,16.65) 18.9,17.2 19.3,17.6 v3(19.3,18.48) ; v1(47.76,55.92) C20.2 ; C66.1 22.29,9.69 v1(22.6,9.38) ; C75.2 22.35,6.75 v1(22.6,7) ; T2.2 v1(41.17,9.78) ; v1(15.15,55.9) C17.2
  TOP w0.38: 9.29,13.3 v1(9.29,14.38) ; U11.14 v1(13.1,14.38) ; U11.1 v1(15.64,17.43) ; U11.7 v1(8.02,17.43) ; C62.1 v1(35.92,10.85) ; U11.3 v1(13.1,17.43) ; 9.29,18.51 v1(9.29,17.43)
  TOP w0.4: C41.1 v1(13.21,24.31) 13.4,24.5 C42.1 ; v1(11.51,48.81) U5.11 v1(11.51,46.15) ; C44.1 v1(8.84,22.48) ; v1(34.02,46.15) U7.11 v1(34.02,48.81) ; v1(44.34,46.15) U8.11 v1(44.34,48.81) ; R49.1 v1(7.15,36.98) ; C46.2 v1(13.2,21.93) 13.47,21.93 13.55,21.85 C47.1 ; A1.2 v1(7.8,35.3) ; v1(22.07,46.15) U6.11 v1(22.07,48.81) ; A1.4 v1(9.8,35.3) ; T1.2 v1(7.57,29.13) ; U10.2 v1(13.8,30.3) ; C40.1 v1(12.1,31.42) ; C38.1 v1(12.22,36.62)
  TOP w0.42: U13.2 v1(38.85,15.63) 38.4,16.08 C53.1 ; Y1.2 47.33,13.53 47.8,14 v1(48.2,14) ; C58.1 v1(49.67,13.99) ; C67.1 v1(44.8,7.27)
  BOTTOM w0.2: J4.8 v2(27.75,44.78) ; J4.7 v2(28.25,44.78)
  BOTTOM w0.28: C175.1 27.95,31.08 28,31.13 v1(28,31.6) ; C168.1 v1(28,31.6) ; v1(28,31.6) C169.1 ; v1(28,31.6) 27.95,31.65 C163.1
  BOTTOM w0.3: v2(20,27.6) 19.44,27.04 19.18,27.04 C184.1 ; C186.1 23.78,28.19 23.79,28.2 24.11,28.2 ; C176.1 34.6,29.7 35.25,29.05 C182.1 35.89,28.29 36.2,28.6 v2(37,28.6) ; C164.1 34.45,32.65 34.51,32.71 C162.1 35.15,32.05 34.6,31.5 C171.1 35.2,31.3 35.5,31.6 v2(36,31.6) ; v2(20,22.6) 20.17,22.43 C210.1 ; v2(24,32.6) 24,31.8 23.31,31.11 C174.1 22.81,30.65 22.45,30.29 C178.1 C179.1 20.95,31.14 21.01,31.2 C166.1 21.01,32.31 21.3,32.6 21.31,32.6 ; v2(22,22.6) 22.17,22.43 C209.1 ; C152.1 27.36,35.59 27.35,35.6 v2(27,35.6) ; C97.1 14.63,56.49 14.59,56.53 C103.2 ; v2(18,21.6) 18.46,22.06 18.46,22.12 C207.2 ; v2(29,22.6) 29.07,22.53 v4(29.07,21.85) 29.07,21.4 29.08,21.39 v4(29.08,20.85) ; v1(7.15,36.98) 7.15,37.36 7.3,37.51 D5.1 ; C240.1 44.85,7.32 v1(44.8,7.27) ; C101.2 36.4,56.48 C98.1 ; 24.11,28.2 C183.1 25.18,27.13 C187.1 25.67,26.72 C193.2 25.69,25.53 C200.1 ; 24.11,28.2 24.51,28.6 v2(25,28.6) ; 25.68,56.48 24.5,56.48 C102.2 ; v4(46.25,25.19) 46.2,25.24 v1(46.2,26.01) U16.4 ; v2(19,32.6) 18.65,32.6 18.31,32.94 C160.1 ; v2(20,34.6) 18.8,34.6 18.33,35.07 C149.2 ; C189.1 C185.1 29.49,27.6 v2(30,27.6) ; 21.31,32.6 v2(22,32.6) ; 21.31,32.6 21.71,33 C161.1 ; U16.9 43.66,32.01 43.46,32.2 v1(43.1,32.2) ; U15.7 v1(46.18,37.11) ; 37.7,31.3 37.4,31.6 v2(37,31.6) ; C96.1 46.69,56.49 C100.2 ; v2(25,35.6) 24.7,35.6 24.61,35.69 C150.1 23.81,35.69 23.6,35.9 C151.1 ; U15.1 v1(46.83,34.91) ; C191.1 19.29,26.35 19,26.06 v2(19,25.6) ; 28.66,30.6 v2(29,30.6) C168.1 v2(29,32.6) 28.6,32.6 28.41,32.41 C163.1 27.4,32.41 27.21,32.6 v2(27,32.6) C169.1 v2(27,30.6) 27.34,30.6 27.45,30.49 C175.1 28.55,30.49 28.66,30.6